# KiCad board 4-ch-backplane.kicad_pcb
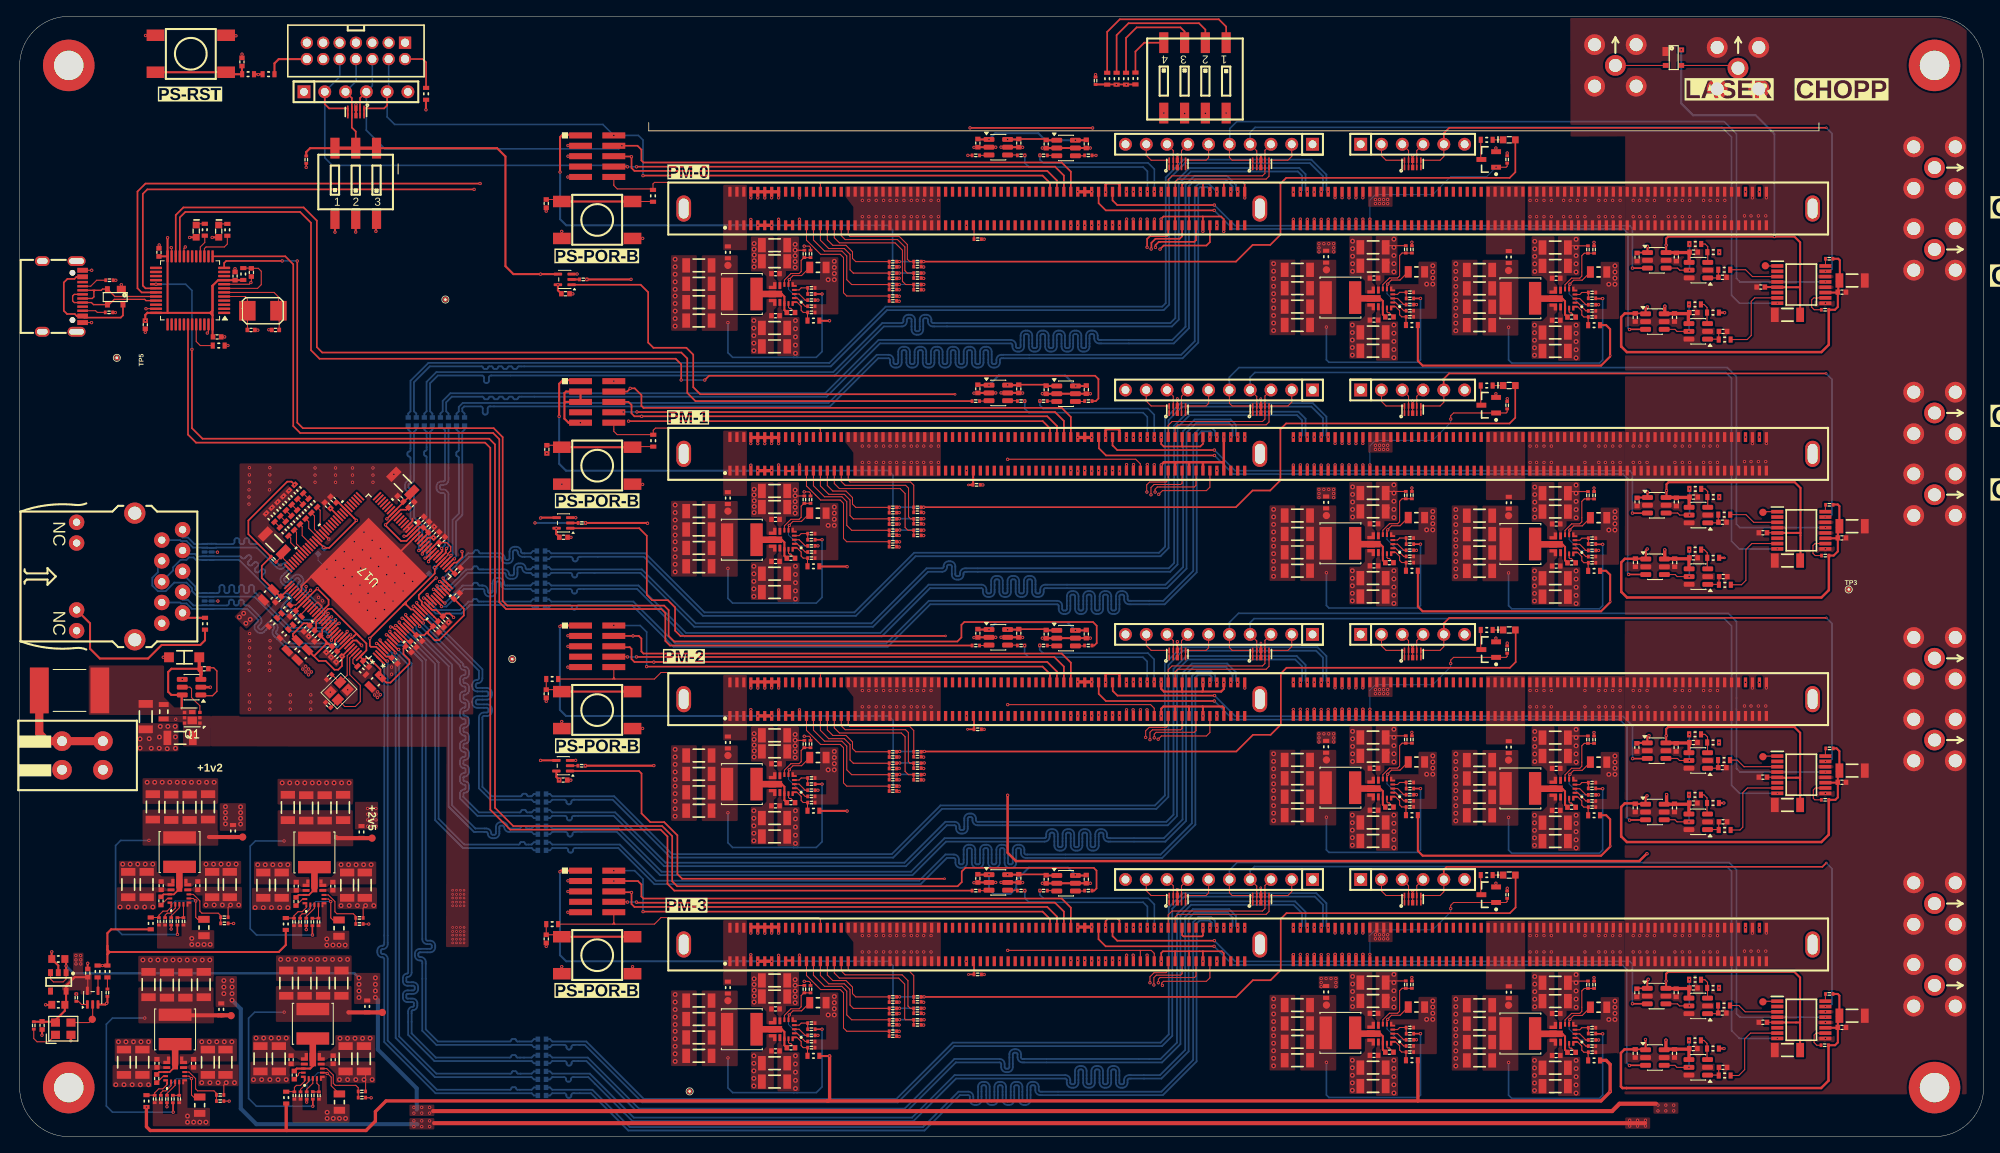
[diagram p0: board, top side]
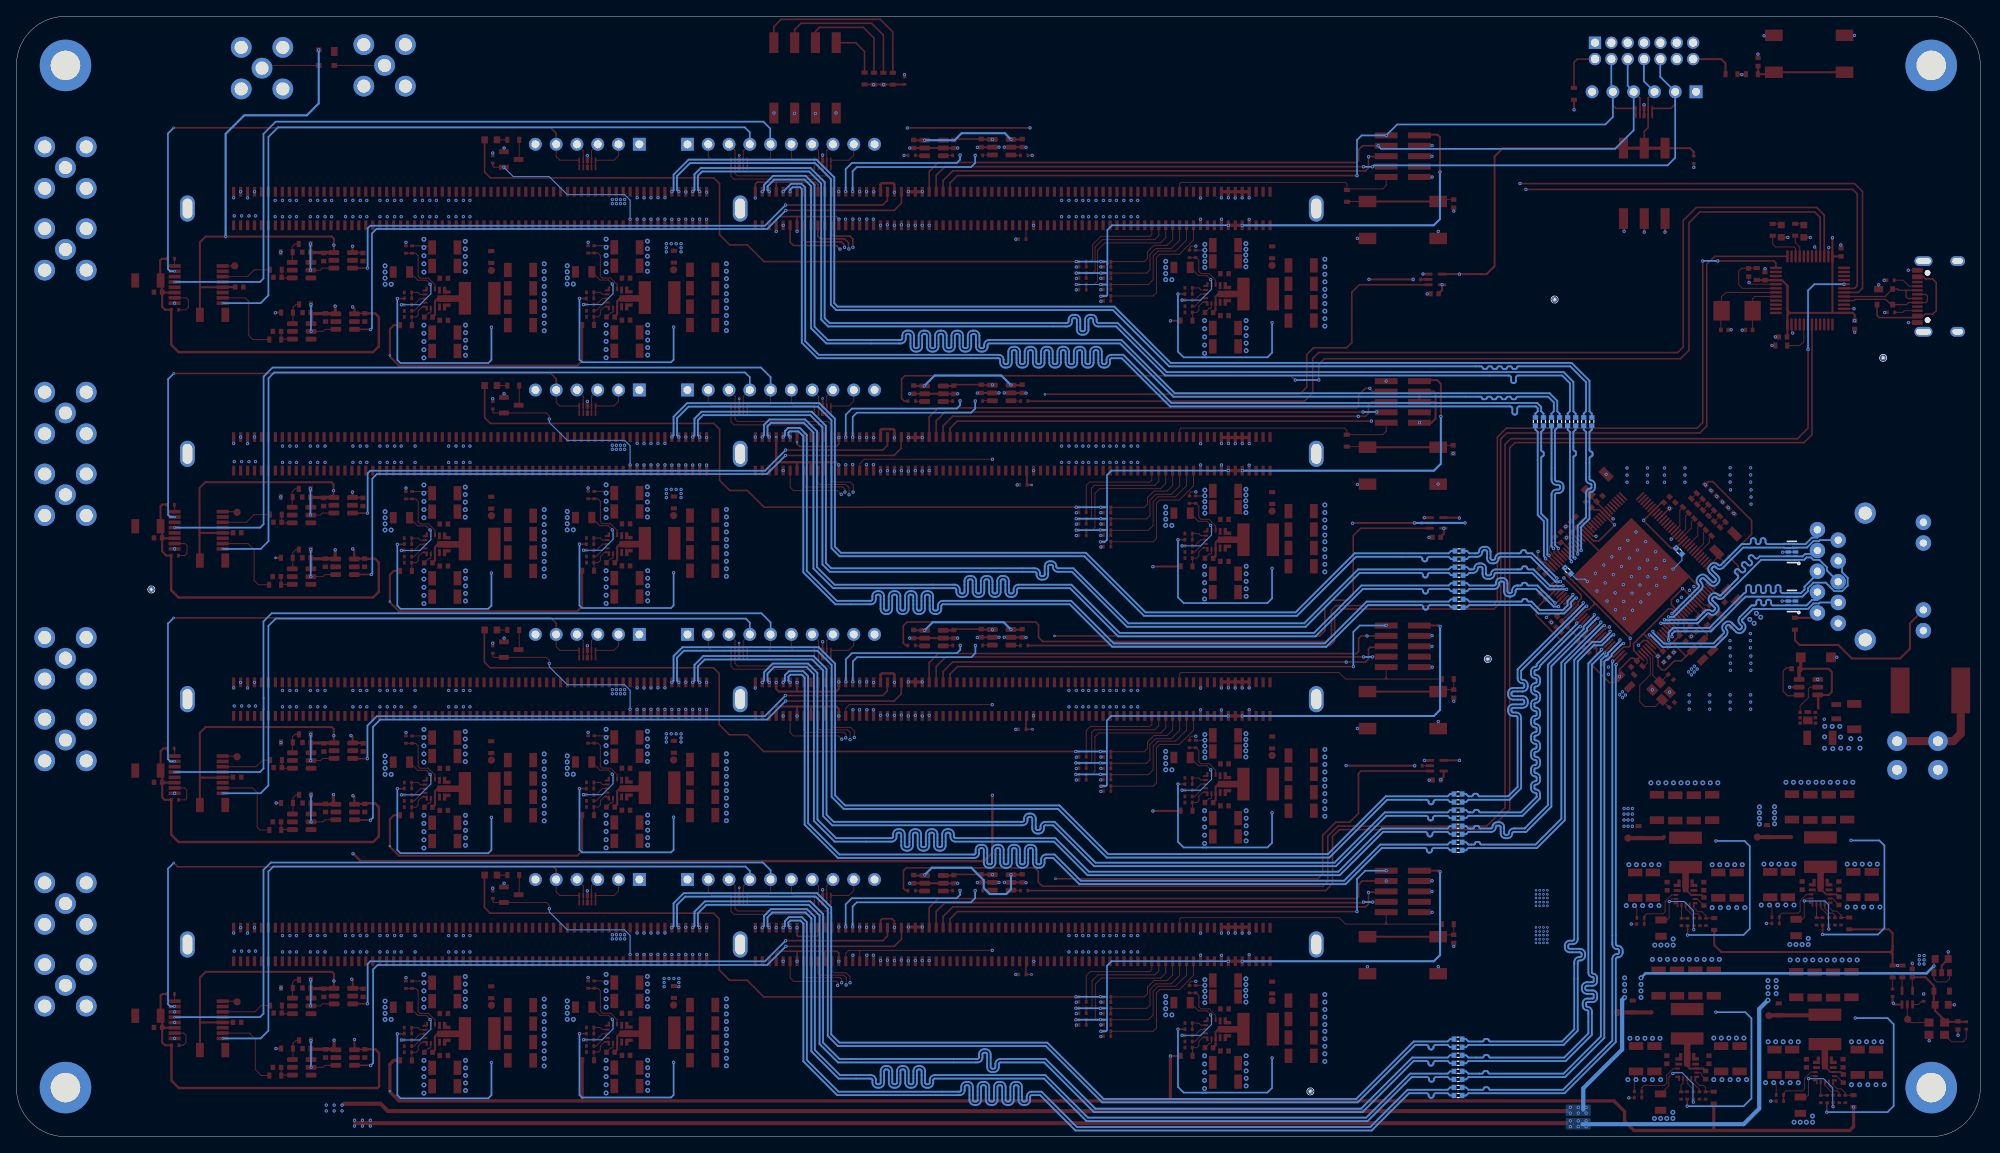
[diagram p1: board, bottom side, seen from below]

Outline 240 x 137 mm; copper layers: Top Layer, In1.Cu, In2.Cu, Bottom Layer. Coordinates in mm from the lower left corner of the outline.
Outline path: 0,131 arc(1.76,135.24) 6,137 234,137 arc(238.24,135.24) 240,131 240,6 arc(238.24,1.76) 234,0 6,0 arc(1.76,1.76) 0,6 0,131
Stack: Top Layer 0.035mm / dielectric 0.1mm 1080 RC69% 3.39mil er 3.91 / In1.Cu 0.0152mm / dielectric 0.9034mm FR4 er 4.6 / In2.Cu 0.0152mm / dielectric 0.1mm 2116 RC57% 5mil er 4.3 / Bottom Layer 0.035mm

## Placement (name value [footprint] x y rotation side)
C1  10µF  [C1206_2.00MM_MD]  42.18 30.76 270 top
C2  10µF  [C1206_2.00MM_MD]  216.02 100.5 0 top
C3  10µF  [C1206_2.00MM_MD]  25.68 30.83 270 top
C4  10µF  [C1206_2.00MM_MD]  25.16 9.1 270 top
C5  10µF  [C1206_2.00MM_MD]  216.02 70.45 0 top
C6  10µF  [C1206_2.00MM_MD]  165.39 108.76 0 top
C7  10µF  [C1206_2.00MM_MD]  187.65 108.74 0 top
C8  10µF  [C1206_2.00MM_MD]  92.25 109.02 0 top
C9  10µF  [C1206_2.00MM_MD]  42.07 9.53 270 top
C10  10µF  [C1206_2.00MM_MD]  165.39 76.46 0 top
C11  10µF  [C1206_2.00MM_MD]  187.65 76.44 0 top
C12  10µF  [C1206_2.00MM_MD]  92.25 77 0 top
C13  10µF  [C1206_2.00MM_MD]  165.39 106.51 0 top
C14  10µF  [C1206_2.00MM_MD]  187.65 106.49 0 top
C15  10µF  [C1206_2.00MM_MD]  92.25 107.05 0 top
C16  10µF  [C1206_2.00MM_MD]  39.82 9.53 270 top
C17  10µF  [C1206_2.00MM_MD]  165.39 68.3 0 top
C18  10µF  [C1206_2.00MM_MD]  187.65 68.28 0 top
C19  10µF  [C1206_2.00MM_MD]  40.02 30.76 270 top
C20  10µF  [C1206_2.00MM_MD]  23.52 30.83 270 top
C21  10µF  [C1206_2.00MM_MD]  23 9.1 270 top
C22  10µF  [C1206_2.00MM_MD]  32.02 30.76 270 top
C23  10µF  [C1206_2.00MM_MD]  15.52 30.83 270 top
C24  10µF  [C1206_2.00MM_MD]  15 9.1 270 top
C25  10µF  [C1206_2.00MM_MD]  29.77 30.76 270 top
C26  10µF  [C1206_2.00MM_MD]  13.27 30.83 270 top
C27  10µF  [C1206_2.00MM_MD]  12.75 9.1 270 top
C28  2.2µF  [C0805_1.45MM_MD]  39.02 25.5 90 top
C29  2.2µF  [C0805_1.45MM_MD]  22.52 25.57 90 top
C30  2.2µF  [C0805_1.45MM_MD]  22 3.85 90 top
C31  2.2µF  [C0805_1.45MM_MD]  170.69 105.76 180 top
C32  2.2µF  [C0805_1.45MM_MD]  192.95 105.74 180 top
C33  2.2µF  [C0805_1.45MM_MD]  97.55 106.3 180 top
C34  2.2µF  [C0805_1.45MM_MD]  39.07 4.22 90 top
C35  10µF  [C1206_2.00MM_MD]  92.25 68.84 0 top
C36  10µF  [C1206_1.80MM_MD]  15.41 51.37 90 top
C37  10µF  [C1206_2.00MM_MD]  165.39 98.35 0 top
C38  10µF  [C1206_2.00MM_MD]  187.65 98.33 0 top
C39  10µF  [C1206_2.00MM_MD]  92.25 98.89 0 top
C40  10µF  [C1206_2.00MM_MD]  31.67 9.53 270 top
C41  10µF  [C1206_2.00MM_MD]  165.39 66.05 0 top
C42  10µF  [C1206_2.00MM_MD]  187.65 66.03 0 top
C43  10µF  [C1206_2.00MM_MD]  92.25 66.59 0 top
C44  2.2µF  [C0805_1.45MM_MD]  170.69 75.71 180 top
C45  2.2µF  [C0805_1.45MM_MD]  192.95 75.69 180 top
C46  2.2µF  [C0805_1.45MM_MD]  97.55 76.25 180 top
C47  10µF  [C1206_2.00MM_MD]  165.39 96.1 0 top
C48  10µF  [C1206_1.80MM_MD]  19.61 48.77 0 top
C49  10µF  [C1206_2.00MM_MD]  46.82 79.9 315 top
C50  10µF  [C1206_2.00MM_MD]  187.65 96.08 0 top
C51  10µF  [C1206_2.00MM_MD]  92.25 96.64 0 top
C52  10µF  [C1206_2.00MM_MD]  29.42 9.53 270 top
C53  10µF  [C1206_2.00MM_MD]  165.39 78.71 0 top
C54  10µF  [C1206_2.00MM_MD]  187.65 78.69 0 top
C55  10µF  [C1206_2.00MM_MD]  92.25 78.97 0 top
C56  0.1µF  [C0402_0.55MM_MD]  165.5 104.99 0 top
C57  0.1µF  [C0402_0.55MM_MD]  187.76 104.97 0 top
C58  0.1µF  [C0402_0.55MM_MD]  92.37 105.53 0 top
C59  0.1µF  [C0402_0.55MM_MD]  38.31 9.41 270 top
C60  0.1µF  [C0402_0.55MM_MD]  165.5 74.94 0 top
C61  0.1µF  [C0402_0.55MM_MD]  187.76 74.92 0 top
C62  0.1µF  [C0402_0.55MM_MD]  92.37 75.48 0 top
C63  0.1µF  [C0402_0.55MM_MD]  165.5 99.85 0 top
C64  0.1µF  [C0402_0.55MM_MD]  187.76 99.83 0 top
C65  0.1µF  [C0402_0.55MM_MD]  92.37 100.39 0 top
C66  0.1µF  [C0402_0.55MM_MD]  33.17 9.41 270 top
C67  0.1µF  [C0402_0.55MM_MD]  165.5 69.8 0 top
C68  0.1µF  [C0402_0.55MM_MD]  167.39 100.24 0 top
C69  0.1µF  [C0402_0.55MM_MD]  63.82 5.03 0 bottom
C70  1µF  [C0603_0.90MM_MD]  4.72 21.72 0 top
C71  1µF  [C0603_0.90MM_MD]  4.72 16.12 0 top
C72  10µF  [C1206_2.00MM_MD]  31.12 72.6 315 top
C73  0.1µF  [C0402_0.55MM_MD]  63.82 6.02 0 bottom
C74  0.1µF  [C0402_0.55MM_MD]  187.76 69.78 0 top
C75  0.1µF  [C0402_0.55MM_MD]  92.37 70.34 0 top
C76  47µF  [C1206_1.80MM_MD]  156.14 106.01 0 top
C77  47µF  [C1206_1.80MM_MD]  178.4 105.99 0 top
C78  47µF  [C1206_1.80MM_MD]  83 106.55 0 top
C79  47µF  [C1206_1.80MM_MD]  39.32 18.78 270 top
C80  0.1µF  [C0402_0.55MM_MD]  189.65 100.22 0 top
C81  0.1µF  [C0402_0.55MM_MD]  63.82 7 0 bottom
C82  0.1µF  [C0402_0.55MM_MD]  197.65 107.56 90 top
C83  0.1µF  [C0402_0.55MM_MD]  202.45 107.56 90 top
C84  0.1µF  [C0402_0.55MM_MD]  38.27 30.63 270 top
C85  0.1µF  [C0402_0.55MM_MD]  21.77 30.7 270 top
C86  47µF  [C1206_1.80MM_MD]  156.14 75.96 0 top
C87  47µF  [C1206_1.80MM_MD]  178.4 75.94 0 top
C88  47µF  [C1206_1.80MM_MD]  83 76.5 0 top
C89  47µF  [C1206_1.80MM_MD]  156.14 103.76 0 top
C90  47µF  [C1206_1.80MM_MD]  178.4 103.74 0 top
C91  47µF  [C1206_1.80MM_MD]  83 104.3 0 top
C92  0.1µF  [C0402_0.55MM_MD]  94.25 100.78 0 top
C93  0.1µF  [C0402_0.55MM_MD]  197.65 77.61 90 top
C94  47µF  [C1206_1.80MM_MD]  37.07 18.78 270 top
C95  47µF  [C1206_1.80MM_MD]  156.14 73.71 0 top
C96  47µF  [C1206_1.80MM_MD]  178.4 73.69 0 top
C97  47µF  [C1206_1.80MM_MD]  83 74.25 0 top
C98  47µF  [C1206_1.80MM_MD]  156.14 101.51 0 top
C99  47µF  [C1206_1.80MM_MD]  178.4 101.49 0 top
C100  47µF  [C1206_1.80MM_MD]  83 102.05 0 top
C101  47µF  [C1206_1.80MM_MD]  34.82 18.78 270 top
C102  47µF  [C1206_1.80MM_MD]  156.14 71.46 0 top
C103  47µF  [C1206_1.80MM_MD]  178.4 71.44 0 top
C104  0.1µF  [C0402_0.55MM_MD]  33.56 7.53 270 top
C105  0.1µF  [C0402_0.55MM_MD]  202.45 77.61 90 top
C106  47µF  [C1206_1.80MM_MD]  83 72 0 top
C107  47µF  [C1206_1.80MM_MD]  156.14 99.26 0 top
C108  47µF  [C1206_1.80MM_MD]  178.4 99.24 0 top
C109  47µF  [C1206_1.80MM_MD]  83 99.8 0 top
C110  47µF  [C1206_1.80MM_MD]  39.52 40.26 270 top
C111  47µF  [C1206_1.80MM_MD]  23.02 40.33 270 top
C112  47µF  [C1206_1.80MM_MD]  22.5 18.6 270 top
C113  47µF  [C1206_1.80MM_MD]  37.27 40.21 270 top
C114  0.1µF  [C0402_0.55MM_MD]  33.8 30.63 270 top
C115  0.1µF  [C0402_0.55MM_MD]  21.25 8.97 270 top
C116  0.1µF  [C0402_0.55MM_MD]  63.82 7.98 0 bottom
C117  0.1µF  [C0402_0.55MM_MD]  33.77 28.76 90 top
C118  47µF  [C1206_1.80MM_MD]  20.77 40.28 270 top
C119  47µF  [C1206_1.80MM_MD]  20.25 18.55 270 top
C120  47µF  [C1206_1.80MM_MD]  35.02 40.21 270 top
C121  47µF  [C1206_1.80MM_MD]  18.52 40.28 270 top
C122  47µF  [C1206_1.80MM_MD]  18 18.55 270 top
C123  47µF  [C1206_1.80MM_MD]  32.77 40.26 270 top
C124  47µF  [C1206_1.80MM_MD]  16.27 40.33 270 top
C125  47µF  [C1206_1.80MM_MD]  15.75 18.6 270 top
C126  0.1µF  [C0402_0.55MM_MD]  17.29 30.7 270 top
C127  0.1µF  [C0402_0.55MM_MD]  22.56 57.22 180 top
C128  0.1µF  [C0402_0.55MM_MD]  63.82 8.97 0 bottom
C129  0.1µF  [C0402_0.55MM_MD]  17.27 28.83 90 top
C130  0.1µF  [C0402_0.55MM_MD]  63.82 9.95 0 bottom
C131  0.1µF  [C0402_0.55MM_MD]  63.82 10.94 0 bottom
C132  0.1µF  [C0402_0.55MM_MD]  63.82 11.92 0 bottom
C133  0.1µF  [C0402_0.55MM_MD]  63.82 35.02 0 bottom
C134  0.1µF  [C0402_0.55MM_MD]  63.82 36 0 bottom
C135  0.1µF  [C0402_0.55MM_MD]  63.82 36.98 0 bottom
C136  0.1µF  [C0402_0.55MM_MD]  63.82 37.97 0 bottom
C137  0.1µF  [C0402_0.55MM_MD]  63.82 38.95 0 bottom
C138  0.1µF  [C0402_0.55MM_MD]  16.77 8.97 270 top
C139  0.1µF  [C0402_0.55MM_MD]  2.74 13.6 90 top
C140  0.1µF  [C0402_0.55MM_MD]  63.82 39.94 0 bottom
C141  0.1µF  [C0402_0.55MM_MD]  16.75 7.1 90 top
C142  0.1µF  [C0402_0.55MM_MD]  63.82 40.92 0 bottom
C143  0.1µF  [C0402_0.55MM_MD]  63.82 41.9 0 bottom
C144  0.1µF  [C0402_0.55MM_MD]  63.71 64.73 0 bottom
C145  0.1µF  [C0402_0.55MM_MD]  63.71 65.71 0 bottom
C146  47µF  [C1206_1.80MM_MD]  32.57 18.78 270 top
C147  47µF  [C1206_1.80MM_MD]  156.14 69.21 0 top
C148  47µF  [C1206_1.80MM_MD]  178.4 69.19 0 top
C149  47µF  [C1206_1.80MM_MD]  83 69.75 0 top
C150  0.1µF  [C0402_0.55MM_MD]  8.33 20 270 top
C151  0.1µF  [C0402_0.55MM_MD]  197.43 100.17 90 top
C152  0.1µF  [C0402_0.55MM_MD]  202.23 100.17 90 top
C153  0.1µF  [C0402_0.55MM_MD]  204.56 108.16 180 top
C154  0.1µF  [C0402_0.55MM_MD]  27.16 131.43 270 top
C155  10µF  [C1206_2.00MM_MD]  216.02 40.56 0 top
C156  0.1µF  [C0402_0.55MM_MD]  197.45 70.19 90 top
C157  0.1µF  [C0402_0.55MM_MD]  202.25 70.19 90 top
C164  0.1µF  [C0402_0.55MM_MD]  167.39 70.19 0 top
C165  0.1µF  [C0402_0.55MM_MD]  189.65 70.17 0 top
C166  0.1µF  [C0402_0.55MM_MD]  94.25 70.73 0 top
C167  0.1µF  [C0402_0.55MM_MD]  204.56 78.21 180 top
C168  0.1µF  [C0402_0.55MM_MD]  51.62 73 225 top
C169  0.1µF  [C0402_0.55MM_MD]  50.4 69.2 45 bottom
C170  0.1µF  [C0402_0.55MM_MD]  64.35 114.1 90 top
C171  0.1µF  [C0402_0.55MM_MD]  64.43 84.05 90 top
C172  0.1µF  [C0402_0.55MM_MD]  45.82 58.2 135 top
C173  0.1µF  [C0402_0.55MM_MD]  50.88 62.05 135 top
C174  0.1µF  [C0402_0.55MM_MD]  39.03 58.39 45 top
C175  0.1µF  [C0402_0.55MM_MD]  37.81 59.59 45 top
C176  0.1µF  [C0402_0.55MM_MD]  48.82 60.96 135 top
C177  0.1µF  [C0402_0.55MM_MD]  36.38 60.92 45 top
C178  0.1µF  [C0402_0.55MM_MD]  53.43 66.12 225 top
C179  0.1µF  [C0402_0.55MM_MD]  49.69 74.85 225 top
C180  0.1µF  [C0402_0.55MM_MD]  35.07 62.12 45 top
C181  0.1µF  [C0402_0.55MM_MD]  33.37 63.96 45 top
C182  0.1µF  [C0402_0.55MM_MD]  47.87 77.28 225 top
C183  0.1µF  [C0402_0.55MM_MD]  48.12 60.2 135 top
C184  0.1µF  [C0402_0.55MM_MD]  38.32 77.9 315 top
C185  0.1µF  [C0402_0.55MM_MD]  50.3 74.24 225 top
C186  0.1µF  [C0402_0.55MM_MD]  52.07 63.25 135 top
C187  0.1µF  [C0402_0.55MM_MD]  36.82 71.6 45 bottom
C188  0.1µF  [C0402_0.55MM_MD]  38.41 58.99 45 top
C189  0.1µF  [C0402_0.55MM_MD]  42.32 57.8 135 top
C190  0.1µF  [C0402_0.55MM_MD]  35.68 61.53 45 top
C191  0.1µF  [C0402_0.55MM_MD]  50.93 73.6 225 top
C192  0.1µF  [C0402_0.55MM_MD]  53.53 69.2 225 top
C193  0.1µF  [C0402_0.55MM_MD]  51.47 62.65 135 top
C194  0.1µF  [C0402_0.55MM_MD]  47.52 59.6 135 top
C195  0.1µF  [C0402_0.55MM_MD]  46.53 78 315 top
C196  0.1µF  [C0402_0.55MM_MD]  49.07 75.46 225 top
C197  0.1µF  [C0402_0.55MM_MD]  31.6 65.7 45 top
C198  0.1µF  [C0402_0.55MM_MD]  37.62 77.2 315 top
C199  0.1µF  [C0402_0.55MM_MD]  63.71 66.69 0 bottom
C200  0.1µF  [C0402_0.55MM_MD]  63.71 67.68 0 bottom
C201  0.1µF  [C0402_0.55MM_MD]  63.71 68.66 0 bottom
C202  0.1µF  [C0402_0.55MM_MD]  63.71 69.65 0 bottom
C203  0.1µF  [C0402_0.55MM_MD]  63.71 70.63 0 bottom
C204  0.1µF  [C0402_0.55MM_MD]  63.71 71.61 0 bottom
C205  0.1µF  [C0402_0.55MM_MD]  54.37 87.44 270 bottom
C206  0.1µF  [C0402_0.55MM_MD]  53.39 87.44 270 bottom
C207  0.1µF  [C0402_0.55MM_MD]  52.4 87.44 270 bottom
C208  0.1µF  [C0402_0.55MM_MD]  51.42 87.44 270 bottom
C209  0.1µF  [C0402_0.55MM_MD]  50.43 87.44 270 bottom
C210  0.1µF  [C0402_0.55MM_MD]  49.45 87.44 270 bottom
C211  0.1µF  [C0402_0.55MM_MD]  48.47 87.44 270 bottom
C212  0.1µF  [C0402_0.55MM_MD]  47.48 87.44 270 bottom
C213  10µF  [C1206_2.00MM_MD]  216.02 10.59 0 top
C214  0.1µF  [C0402_0.55MM_MD]  212.76 103.9 0 top
C215  0.1µF  [C0402_0.55MM_MD]  213.02 73.85 0 top
C216  0.1µF  [C0402_0.55MM_MD]  213.02 43.96 0 top
C217  0.1µF  [C0402_0.55MM_MD]  213.02 13.99 0 top
C218  10µF  [C1206_2.00MM_MD]  223.93 104.7 180 top
C219  0.1µF  [C0402_0.55MM_MD]  222.68 103.27 180 top
C220  10µF  [C1206_2.00MM_MD]  223.93 74.65 180 top
C221  0.1µF  [C0402_0.55MM_MD]  222.68 73.22 180 top
C222  0.1µF  [C0402_0.55MM_MD]  64.35 54.16 90 top
C223  0.1µF  [C0402_0.55MM_MD]  197.43 40.2 90 top
C224  0.1µF  [C0402_0.55MM_MD]  197.62 47.6 90 top
C225  0.1µF  [C0402_0.55MM_MD]  202.23 40.2 90 top
C226  0.1µF  [C0402_0.55MM_MD]  202.43 47.6 90 top
C227  0.1µF  [C0402_0.55MM_MD]  204.54 48.2 180 top
C228  10µF  [C1206_2.00MM_MD]  165.39 46.57 0 top
C229  10µF  [C1206_2.00MM_MD]  187.65 46.55 0 top
C230  10µF  [C1206_2.00MM_MD]  92.25 47.11 0 top
C231  10µF  [C1206_2.00MM_MD]  165.39 38.42 0 top
C232  10µF  [C1206_2.00MM_MD]  187.65 38.4 0 top
C233  10µF  [C1206_2.00MM_MD]  92.25 38.96 0 top
C234  10µF  [C1206_2.00MM_MD]  165.39 36.17 0 top
C235  10µF  [C1206_2.00MM_MD]  187.65 36.15 0 top
C236  10µF  [C1206_2.00MM_MD]  92.25 36.71 0 top
C237  10µF  [C1206_2.00MM_MD]  165.39 48.82 0 top
C238  10µF  [C1206_2.00MM_MD]  187.65 48.8 0 top
C239  10µF  [C1206_2.00MM_MD]  92.25 49.08 0 top
C240  0.1µF  [C0402_0.55MM_MD]  165.5 45.05 0 top
C241  0.1µF  [C0402_0.55MM_MD]  187.76 45.03 0 top
C242  0.1µF  [C0402_0.55MM_MD]  92.37 45.6 0 top
C243  0.1µF  [C0402_0.55MM_MD]  165.5 39.92 0 top
C244  0.1µF  [C0402_0.55MM_MD]  187.76 39.9 0 top
C245  0.1µF  [C0402_0.55MM_MD]  92.37 40.46 0 top
C246  0.1µF  [C0402_0.55MM_MD]  167.39 40.3 0 top
C247  0.1µF  [C0402_0.55MM_MD]  189.65 40.28 0 top
C248  0.1µF  [C0402_0.55MM_MD]  94.25 40.84 0 top
C249  2.2µF  [C0805_1.45MM_MD]  192.95 45.8 180 top
C250  2.2µF  [C0805_1.45MM_MD]  97.55 46.36 180 top
C251  18pF  [C0402_0.55MM_HD]  37.82 56.2 45 top
C252  18pF  [C0402_0.55MM_HD]  37.7 52.8 315 top
C253  2.2µF  [C0805_1.45MM_MD]  170.69 45.82 180 top
C254  47µF  [C1206_1.80MM_MD]  156.14 46.07 0 top
C255  47µF  [C1206_1.80MM_MD]  178.4 46.05 0 top
C256  47µF  [C1206_1.80MM_MD]  83 46.61 0 top
C257  47µF  [C1206_1.80MM_MD]  156.14 43.82 0 top
C258  47µF  [C1206_1.80MM_MD]  178.4 43.8 0 top
C259  47µF  [C1206_1.80MM_MD]  83 44.36 0 top
C260  47µF  [C1206_1.80MM_MD]  156.14 41.57 0 top
C261  47µF  [C1206_1.80MM_MD]  178.4 41.55 0 top
C262  47µF  [C1206_1.80MM_MD]  83 42.11 0 top
C263  47µF  [C1206_1.80MM_MD]  156.14 39.32 0 top
C264  47µF  [C1206_1.80MM_MD]  178.4 39.3 0 top
C265  47µF  [C1206_1.80MM_MD]  83 39.86 0 top
C266  10µF  [C1206_2.00MM_MD]  223.93 44.76 180 top
C267  0.1µF  [C0402_0.55MM_MD]  64.35 24.19 90 top
C268  0.1µF  [C0402_0.55MM_MD]  197.43 10.17 90 top
C269  0.1µF  [C0402_0.55MM_MD]  197.62 17.59 90 top
C270  0.1µF  [C0402_0.55MM_MD]  202.23 10.17 90 top
C271  0.1µF  [C0402_0.55MM_MD]  202.43 17.59 90 top
C272  0.1µF  [C0402_0.55MM_MD]  204.54 18.19 180 top
C273  10µF  [C1206_2.00MM_MD]  165.39 16.59 0 top
C274  10µF  [C1206_2.00MM_MD]  187.65 16.57 0 top
C275  10µF  [C1206_2.00MM_MD]  92.25 17.13 0 top
C276  10µF  [C1206_2.00MM_MD]  165.39 8.44 0 top
C277  10µF  [C1206_2.00MM_MD]  187.65 8.42 0 top
C278  10µF  [C1206_2.00MM_MD]  92.25 8.98 0 top
C279  10µF  [C1206_2.00MM_MD]  165.39 6.19 0 top
C280  10µF  [C1206_2.00MM_MD]  187.65 6.17 0 top
C281  10µF  [C1206_2.00MM_MD]  92.25 6.73 0 top
C282  10µF  [C1206_2.00MM_MD]  165.39 18.84 0 top
C283  10µF  [C1206_2.00MM_MD]  187.65 18.82 0 top
C284  10µF  [C1206_2.00MM_MD]  92.25 19.1 0 top
C285  0.1µF  [C0402_0.55MM_MD]  165.5 15.08 0 top
C286  0.1µF  [C0402_0.55MM_MD]  187.76 15.06 0 top
C287  0.1µF  [C0402_0.55MM_MD]  92.37 15.62 0 top
C288  0.1µF  [C0402_0.55MM_MD]  165.5 9.94 0 top
C289  0.1µF  [C0402_0.55MM_MD]  187.76 9.92 0 top
C290  0.1µF  [C0402_0.55MM_MD]  92.37 10.48 0 top
C291  0.1µF  [C0402_0.55MM_MD]  167.39 10.33 0 top
C292  0.1µF  [C0402_0.55MM_MD]  189.65 10.31 0 top
C293  0.1µF  [C0402_0.55MM_MD]  94.25 10.87 0 top
C294  2.2µF  [C0805_1.45MM_MD]  192.95 15.82 180 top
C295  2.2µF  [C0805_1.45MM_MD]  97.55 16.38 180 top
C296  2.2µF  [C0805_1.45MM_MD]  170.69 15.84 180 top
C297  47µF  [C1206_1.80MM_MD]  156.14 16.09 0 top
C298  47µF  [C1206_1.80MM_MD]  178.4 16.07 0 top
C299  47µF  [C1206_1.80MM_MD]  83 16.63 0 top
C300  47µF  [C1206_1.80MM_MD]  156.14 13.84 0 top
C301  47µF  [C1206_1.80MM_MD]  178.4 13.82 0 top
C302  47µF  [C1206_1.80MM_MD]  83 14.38 0 top
C303  47µF  [C1206_1.80MM_MD]  156.14 11.59 0 top
C304  47µF  [C1206_1.80MM_MD]  178.4 11.57 0 top
C305  47µF  [C1206_1.80MM_MD]  83 12.13 0 top
C306  47µF  [C1206_1.80MM_MD]  156.14 9.34 0 top
C307  47µF  [C1206_1.80MM_MD]  178.4 9.32 0 top
C308  47µF  [C1206_1.80MM_MD]  83 9.88 0 top
C309  0.1µF  [C0402_0.55MM_MD]  66.69 103.08 180 top
C310  0.1µF  [C0402_0.55MM_MD]  66.46 73.3 180 top
C311  0.1µF  [C0402_0.55MM_MD]  66.43 43.61 180 top
C312  0.1µF  [C0402_0.55MM_MD]  15.35 99.29 90 top
C313  0.1µF  [C0402_0.55MM_MD]  17.03 108.14 270 top
C314  0.1µF  [C0402_0.55MM_MD]  24.13 97.8 180 top
C315  0.1µF  [C0402_0.55MM_MD]  26.32 105.24 270 top
C316  18pF  [C0402_0.55MM_HD]  28.28 98.65 180 top
C317  18pF  [C0402_0.55MM_HD]  31.26 98.65 0 top
C318  0.1µF  [C0402_0.55MM_MD]  28.31 105.68 90 top
C319  0.1µF  [C0402_0.55MM_MD]  222.68 43.34 180 top
C320  10µF  [C1206_2.00MM_MD]  223.93 14.79 180 top
C321  0.1µF  [C0402_0.55MM_MD]  222.68 13.36 180 top
C322  0.1µF  [C0402_0.55MM_MD]  204.52 100.77 180 top
C323  0.1µF  [C0402_0.55MM_MD]  204.55 70.79 180 top
C324  0.1µF  [C0402_0.55MM_MD]  204.52 40.8 180 top
C325  0.1µF  [C0402_0.55MM_MD]  204.52 10.78 180 top
C326  0.1µF  [C0402_0.55MM_MD]  208.16 98.47 180 top
C327  0.1µF  [C0402_0.55MM_MD]  208.18 68.49 180 top
C328  0.1µF  [C0402_0.55MM_MD]  208.16 38.5 180 top
C329  0.1µF  [C0402_0.55MM_MD]  208.16 8.47 180 top
C330  0.1µF  [C0402_0.55MM_MD]  208.09 105.09 180 top
C331  0.1µF  [C0402_0.55MM_MD]  208.09 75.14 180 top
C332  0.1µF  [C0402_0.55MM_MD]  208.06 45.13 180 top
C333  0.1µF  [C0402_0.55MM_MD]  208.06 15.11 180 top
C335  0.1µF  [C0402_0.55MM_MD]  122.09 121.5 90 top
C336  0.1µF  [C0402_0.55MM_MD]  125.44 121.39 90 top
C337  0.1µF  [C0402_0.55MM_MD]  117.09 121.5 90 top
C338  0.1µF  [C0402_0.55MM_MD]  130.34 121.4 90 top
C339  0.1µF  [C0402_0.55MM_MD]  122.09 91.45 90 top
C340  0.1µF  [C0402_0.55MM_MD]  125.44 91.34 90 top
C341  0.1µF  [C0402_0.55MM_MD]  117.09 91.45 90 top
C342  0.1µF  [C0402_0.55MM_MD]  130.34 91.35 90 top
C343  0.1µF  [C0402_0.55MM_MD]  122.09 61.56 90 top
C344  0.1µF  [C0402_0.55MM_MD]  125.44 61.45 90 top
C345  0.1µF  [C0402_0.55MM_MD]  117.09 61.56 90 top
C346  0.1µF  [C0402_0.55MM_MD]  130.34 61.46 90 top
C347  0.1µF  [C0402_0.55MM_MD]  122.09 31.59 90 top
C348  0.1µF  [C0402_0.55MM_MD]  125.44 31.48 90 top
C349  0.1µF  [C0402_0.55MM_MD]  117.09 31.59 90 top
C350  0.1µF  [C0402_0.55MM_MD]  130.34 31.49 90 top
D1  SMF18CA  [D_SOD-123_P]  20.1 58.62 0 top
D2  RClamp0524PATCT  [SLP2510P8_L2.5-W1.0-P0.50-BL]  170.23 118.96 0 top
D4  RClamp0524PATCT  [SLP2510P8_L2.5-W1.0-P0.50-BL]  41.09 125.31 180 top
D5  RClamp0524PATCT  [SLP2510P8_L2.5-W1.0-P0.50-BL]  151.68 118.96 0 top
D6  RClamp0524PATCT  [SLP2510P8_L2.5-W1.0-P0.50-BL]  141.48 118.96 0 top
D8  RClamp0524PATCT  [SLP2510P8_L2.5-W1.0-P0.50-BL]  170.23 88.91 0 top
D9  RClamp0524PATCT  [SLP2510P8_L2.5-W1.0-P0.50-BL]  151.68 88.91 0 top
D10  RClamp0524PATCT  [SLP2510P8_L2.5-W1.0-P0.50-BL]  170.23 59.02 0 top
D11  RClamp0524PATCT  [SLP2510P8_L2.5-W1.0-P0.50-BL]  151.68 59.02 0 top
D12  RClamp0524PATCT  [SLP2510P8_L2.5-W1.0-P0.50-BL]  141.48 88.91 0 top
D14  APT1608CGCK  [LED-0603-GREEN]  182.02 121.9 180 top
D15  APT1608CGCK  [LED-0603-GREEN]  182.02 91.85 180 top
D18  APT1608CGCK  [LED-0603-GREEN]  182.02 61.96 180 top
D19  RClamp0524PATCT  [SLP2510P8_L2.5-W1.0-P0.50-BL]  141.48 59.02 0 top
D21  APT1608CGCK  [LED-0603-GREEN]  182.02 31.99 180 top
D22  RClamp0524PATCT  [SLP2510P8_L2.5-W1.0-P0.50-BL]  170.23 29.05 0 top
D23  RClamp0524PATCT  [SLP2510P8_L2.5-W1.0-P0.50-BL]  151.68 29.05 0 top
D24  RClamp0524PATCT  [SLP2510P8_L2.5-W1.0-P0.50-BL]  141.48 29.05 0 top
D28  RClamp0524PATCT  [SLP2510P8_L2.5-W1.0-P0.50-BL]  23.03 71.5 90 bottom
D29  RClamp0524PATCT  [SLP2510P8_L2.5-W1.0-P0.50-BL]  23.03 65.5 90 bottom
D34  APT1608CGCK  [LED-0603-GREEN]  24.32 110.73 90 top
D35  APT1608CGCK  [LED-0603-GREEN]  21.57 110.73 90 top
FB1  220R @ 100MHz  [R0805_0.60MM_HD]  43.47 55.62 45 top
FB2  220R @ 100MHz  [R0805_0.60MM_HD]  34.55 58.92 45 top
FB3  220R @ 100MHz  [R0805_0.60MM_HD]  33.32 60.05 45 top
FB4  220R @ 100MHz  [R0805_0.60MM_HD]  30.4 66.25 45 top
FU1  15V, 3A  [FUSE_0ZCF0075AF2C]  6.1 54.57 0 top
J1  ~  [219-3MST]  41.07 116.58 0 top
J2  2x7 Header  [SHDR14W55P200_2X7_1665X630X640]  47.09 133.77 180 top
J3  -  [2601-1102]  7.68 46.62 270 top
J4  KH-SMA-K513-G  [SMA-J-P-RA-TH1]  234 118.5 270 top
J6  -  [HFJ11-1G01ERL]  11.02 68.5 270 top
J7  ~  [90414-15011-21]  150.12 113.5 0 top
J9  ~  [90414-15011-21]  150.12 83.5 0 top
J11  ~  [90414-15011-21]  150.12 53.5 0 top
J12  KH-SMA-K513-G  [SMA-J-P-RA-TH1]  234 108.5 270 top
J13  20021121-00010T4LF  [FTSH-105-05-F-DV]  70.57 119.9 270 top
J15  20021121-00010T4LF  [FTSH-105-05-F-DV]  70.57 89.85 270 top
J16  1x10 Header  [100_1_10]  146.56 121.36 180 top
J17  1x10 Header  [100_1_10]  146.56 91.31 180 top
J18  KH-SMA-K513-G  [SMA-J-P-RA-TH1#2]  210 131 0 top
J19  KH-SMA-K513-G  [SMA-J-P-RA-TH1]  195 131 0 top
J20  KH-SMA-K513-G  [SMA-J-P-RA-TH1]  234 88.5 270 top
J21  KH-SMA-K513-G  [SMA-J-P-RA-TH1]  234 78.5 270 top